# KiCad board nana.kicad_pcb
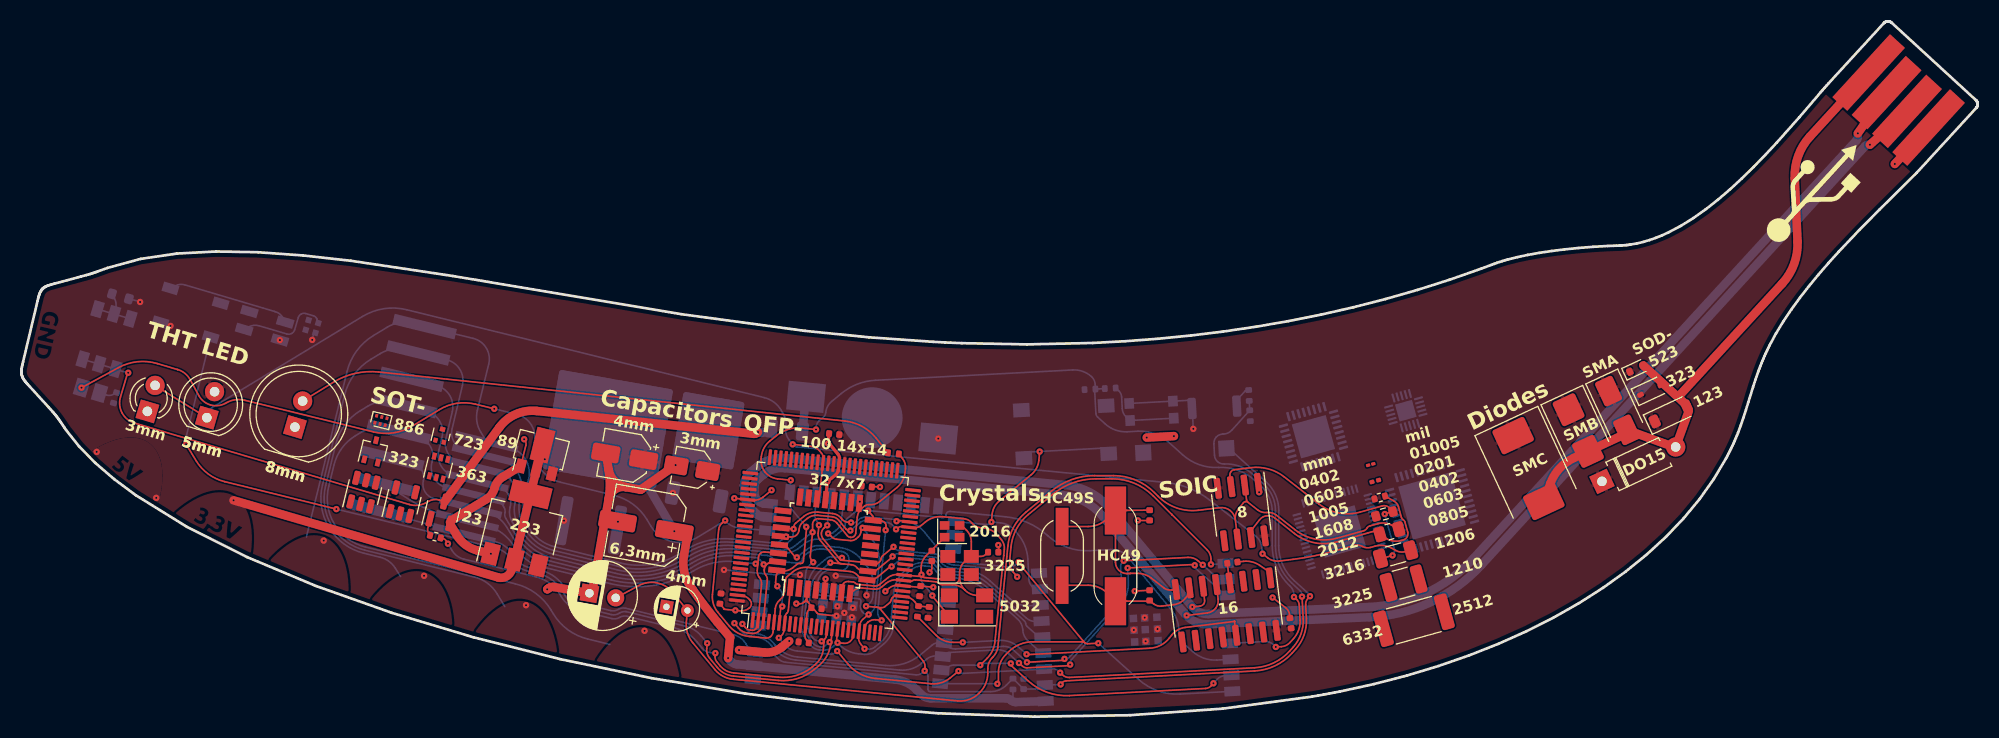
[diagram p0: board, top side]
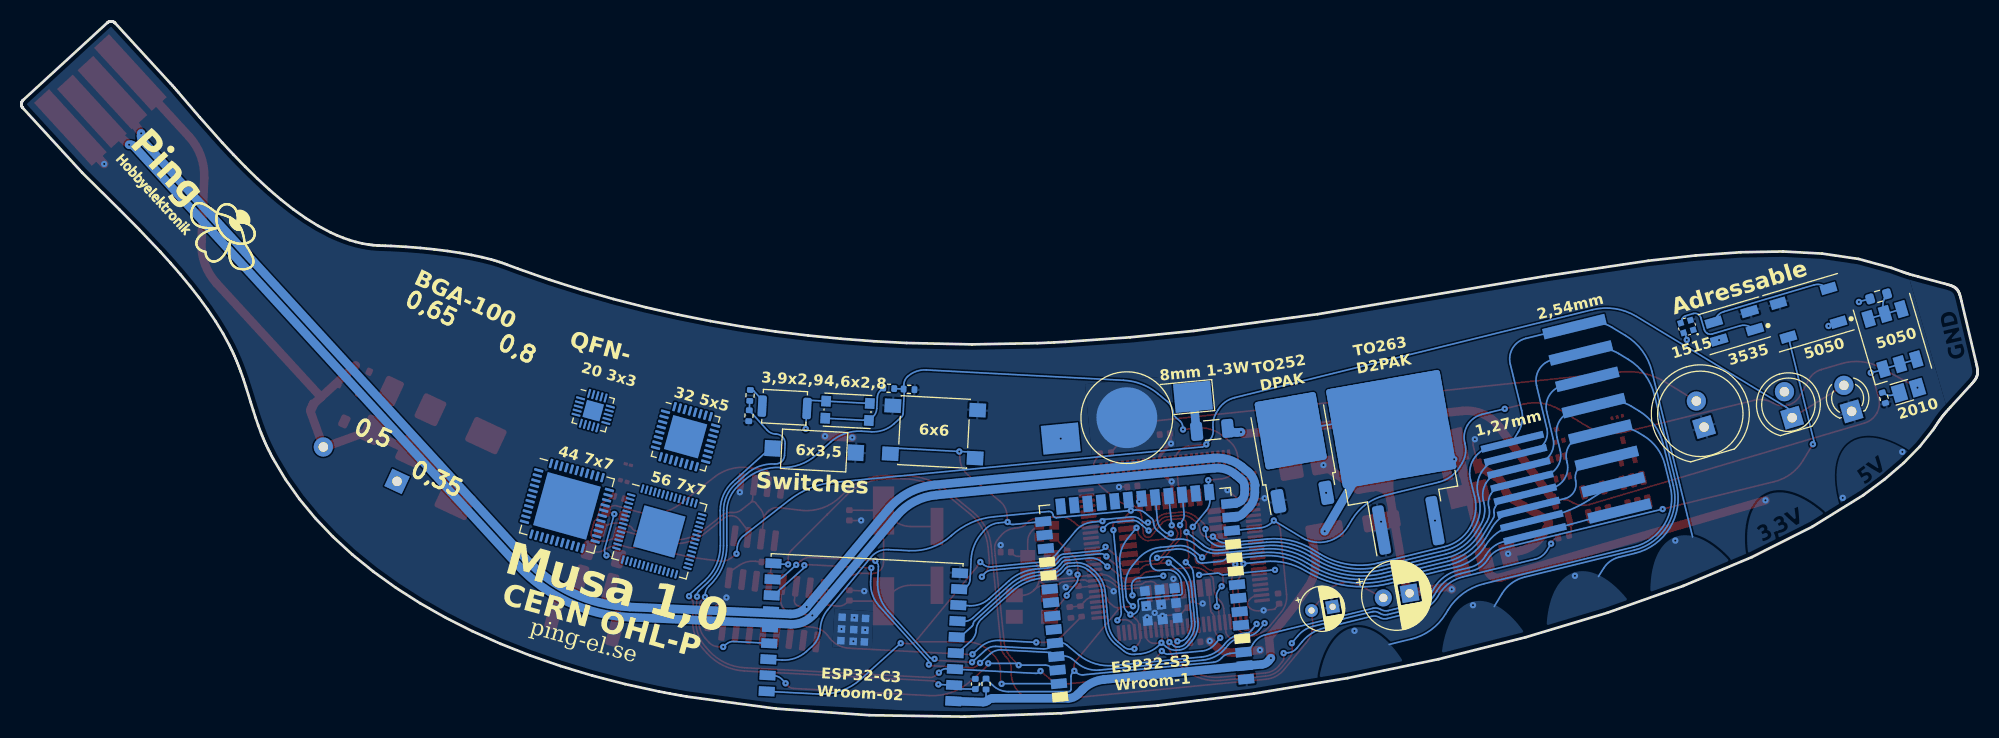
[diagram p1: board, bottom side, seen from below]

Outline 183.24 x 65.11 mm; copper layers: Top, Bottom. Coordinates in mm from the lower left corner of the outline.
Outline path: 0,32.29 0,32.23 0.01,32.17 0.01,32.13 0.02,32.08 0.03,32.03 0.04,31.98 0.06,31.93 0.07,31.88 0.09,31.83 0.11,31.79 0.13,31.74 0.16,31.68 0.19,31.63 0.23,31.57 0.26,31.52 0.3,31.46 0.35,31.41 0.39,31.35 0.49,31.24 0.58,31.14 0.75,30.95 2.59,28.94 2.75,28.76 2.94,28.55 3.03,28.44 3.12,28.33 3.21,28.23 3.28,28.14 3.36,28.04 3.44,27.93 3.52,27.83 3.59,27.72 3.66,27.62 3.73,27.52 3.89,27.28 4.04,27.05 4.18,26.85 5.41,25.3 6.92,23.76 8.69,22.24 10.73,20.73 15.5,17.77 21.15,14.93 27.58,12.24 34.67,9.73 42.35,7.43 50.49,5.38 59.02,3.61 67.82,2.15 76.8,1.04 85.86,0.31 94.9,0 103.82,0.13 112.53,0.75 120.91,1.88 121.43,1.97 121.95,2.06 122.48,2.16 123,2.26 123.51,2.36 126.68,3.05 129.75,3.84 132.73,4.74 135.59,5.73 138.35,6.82 140.99,8 143.51,9.27 145.9,10.63 148.15,12.07 150.27,13.58 152.23,15.18 154.05,16.84 155.7,18.58 157.19,20.38 158.52,22.25 159.66,24.17 159.78,24.39 159.91,24.64 160.04,24.89 160.15,25.11 160.26,25.35 160.37,25.59 160.47,25.82 160.58,26.08 160.69,26.34 160.78,26.57 161.05,27.27 161.3,27.99 161.53,28.71 161.75,29.44 162.2,30.89 162.44,31.61 162.69,32.32 162.78,32.56 162.88,32.82 162.98,33.08 163.08,33.31 163.18,33.55 163.29,33.79 163.39,34.02 163.51,34.27 163.63,34.53 163.74,34.75 164.34,35.88 165.03,37 165.78,38.11 166.59,39.22 167.44,40.32 168.34,41.41 169.27,42.48 170.22,43.53 172.15,45.57 174.06,47.49 177.54,50.94 183.1,56.99 183.11,57.01 183.13,57.03 183.14,57.05 183.16,57.08 183.17,57.1 183.18,57.12 183.19,57.15 183.2,57.17 183.21,57.19 183.22,57.22 183.22,57.24 183.23,57.27 183.23,57.3 183.23,57.32 183.24,57.35 183.24,57.37 183.23,57.4 183.23,57.43 183.23,57.45 183.22,57.48 183.21,57.5 183.21,57.53 183.2,57.55 183.19,57.57 183.17,57.6 183.16,57.62 183.15,57.64 183.13,57.66 183.12,57.68 183.1,57.7 183.08,57.72 183.06,57.74 175.19,64.97 175.17,64.99 175.15,65 175.13,65.02 175.11,65.03 175.09,65.04 175.06,65.06 175.04,65.07 175.02,65.08 174.99,65.08 174.97,65.09 174.94,65.1 174.92,65.1 174.89,65.1 174.86,65.11 174.84,65.11 174.81,65.11 174.79,65.11 174.76,65.1 174.73,65.1 174.71,65.09 174.68,65.09 174.66,65.08 174.64,65.07 174.61,65.06 174.59,65.05 174.57,65.03 174.54,65.02 174.52,65.01 174.5,64.99 174.48,64.97 174.46,64.96 174.44,64.94 169.25,59.27 169.08,59.09 168.89,58.88 168.71,58.67 168.55,58.48 166.53,56.13 164.44,53.77 163.36,52.62 162.27,51.49 161.16,50.41 160.04,49.37 158.9,48.4 157.76,47.5 156.6,46.68 155.44,45.96 154.27,45.34 153.68,45.07 153.09,44.83 152.5,44.63 151.91,44.45 151.32,44.31 150.73,44.21 150.61,44.19 150.48,44.17 150.34,44.16 150.2,44.15 149.92,44.12 149.79,44.12 149.67,44.11 149.41,44.1 149.14,44.09 148.61,44.08 147.22,44 145.86,43.89 144.57,43.76 143.34,43.6 142.18,43.43 141.1,43.24 140.11,43.03 139.21,42.8 138.97,42.74 138.7,42.66 138.44,42.57 138.2,42.49 137.95,42.4 137.7,42.31 136.71,41.94 133.75,40.91 130.77,39.96 127.77,39.1 124.76,38.33 121.73,37.65 118.69,37.04 115.64,36.51 112.59,36.06 109.52,35.69 106.46,35.39 103.39,35.15 100.32,34.99 94.19,34.86 88.09,34.97 87.03,35.02 86.5,35.04 85.44,35.1 79.38,35.52 73.41,36.12 61.82,37.68 40.42,41.26 30.85,42.69 26.4,43.18 22.19,43.49 18.24,43.56 14.56,43.36 11.17,42.86 8.08,42.02 7.08,41.66 6.96,41.62 6.83,41.58 6.71,41.54 6.58,41.5 6.47,41.46 6.35,41.42 6.08,41.35 5.57,41.21 3.1,40.55 2.86,40.48 2.73,40.44 2.59,40.4 2.52,40.38 2.45,40.35 2.39,40.32 2.33,40.3 2.27,40.27 2.21,40.24 2.16,40.21 2.12,40.18 2.08,40.15 2.05,40.12 2.03,40.1 1.99,40.07 1.96,40.03 1.93,40 1.9,39.96 1.87,39.93 1.86,39.91 1.83,39.86 1.8,39.81 1.77,39.75 1.74,39.69 1.72,39.63 1.69,39.57 1.67,39.5 1.65,39.43 1.61,39.29 1.57,39.16 1.52,38.92 0.16,33.22 0.1,32.97 0.07,32.84 0.04,32.7 0.02,32.56 0.01,32.49 0.01,32.42 0,32.35 0,32.29

## Placement (name value [footprint] x y rotation side)
C1  10µF  [CP_Radial_D6.3mm_P2.50mm]  55.67 11.12 170 top
C2  10µF  [CP_Radial_D4.0mm_P2.00mm]  62.39 9.94 170 top
C3  100nF  [C_0402_1005Metric]  113.43 14.42 187 top
C4  100nF  [C_0402_1005Metric]  118.88 8.75 97 top
C5  100nF  [CP_Elec_3x5.4]  62.81 23.26 170 top
C6  10µF  [CP_Elec_4x3.9]  56.51 24.38 170 top
C7  100µF  [CP_Elec_6.3x3]  58.5 17.83 170 top
C8  100nF  [C_0402_1005Metric]  93.88 3.05 270 bottom
C9  100nF  [C_0402_1005Metric#2]  83.98 9.85 84 top
C10  100nF  [C_0402_1005Metric]  85.28 15.05 90 top
C11  100nF  [C_0402_1005Metric]  91.03 15.4 0 top
C12  100nF  [C_0402_1005Metric]  105.68 11.35 270 top
C13  100nF  [C_0402_1005Metric]  105.68 18.85 270 top
C14  100nF  [C_0402_1005Metric]  73.28 6.95 174 top
C15  100nF  [C_0402_1005Metric]  84.18 11.75 264 top
C16  100nF  [C_0402_1005Metric]  79.18 21.55 174 top
C17  100nF  [C_0402_1005Metric]  74.48 10.15 354 top
C18  100nF  [C_0402_1005Metric]  76.13 26.46 354 top
C19  100nF  [C_0402_1005Metric]  65.48 11.05 84 top
D1  LED  [LED_D5.0mm]  17.37 27.99 73.5 top
D2  D  [D_SOD-523]  151.29 32.59 25 top
D3  D  [D_SOD-323]  152.61 30.59 25 top
D4  D  [D_SOD-123]  154.48 28.34 25 top
D5  D  [D_SMA]  149.51 28.67 295 top
D6  D  [D_SMB]  145.83 26.79 295 top
D7  D  [D_SMC]  141.16 23.24 295 top
D8  WS2812B  [LED_WS2812B_PLCC4_5.0x5.0mm_P3.2mm]  15.85 37.82 343.5 bottom
D9  D  [D_A-405_P7.62mm_Horizontal]  148.05 22.03 25 top
D10  LED  [LED_D3.0mm]  11.81 28.59 73.5 top
D11  LED  [LED_D8.0mm]  25.63 27.12 73.5 top
D12  neopixewl1515  [neopixel 1515]  27.19 36.52 73.5 bottom
D13  SK6812MINI  [LED_SK6812MINI_PLCC4_3.5x3.5mm_P1.75mm]  22.79 36.6 343.5 bottom
D14  LED_Small  [LED_Cree-XQ_HandSoldering]  6.48 30.55 163.5 bottom
D16  LED_Small  [LED_WS2812_PLCC6_5.0x5.0mm_P1.6mm]  7.98 35.35 73.5 bottom
D17  LED_Pad  [LED_1W_3W_R8]  79.69 27.99 354.5 bottom
J1  USB_A  [USB_A_PCB_Traces (2022_12_20 17_46_41 UTC)]  179.14 61.35 137.5 top
J3  Conn_01x08  [PinHeader_1x08_P1.27mm_Vertical_SMD_Pin1Left]  42.52 21.42 166.2 bottom
J4  Conn_01x08  [PinHeader_1x08_P2.54mm_Vertical_SMD_Pin1Left]  35.65 27.89 166.2 bottom
NOREF  -  [4e988d52-a1df-4404-8b93-7847e0040ea9]  12.92 27.95 73.5 bottom
NOREF#2  -  [3dd66612-fe23-403d-81ce-bc15ae8c14f7]  25.98 28.35 73.5 bottom
NOREF#3  -  [d564f435-ef66-4cca-9a57-fabb17dd3106]  57.94 12.92 170 bottom
NOREF#4  -  [b6a1a59d-b651-485a-8f2a-60bc29a1b44c]  63.68 11.12 170 bottom
NOREF#5  -  [f1bb2a21-603f-4583-8f4a-5e42ccd47537]  18.44 31.6 73.5 bottom
Q1  BC817  [SOT-23]  39.42 19.22 76.2 top
R1  100k  [R_0805_2012Metric]  128.13 17.32 15.5 top
R2  1k  [R_0402_1005Metric]  127.24 20.52 15.5 top
R3  1k  [R_0603_1608Metric]  127.67 18.98 15.5 top
R3#2  1k  [R_0402_1005Metric]  81.68 24.65 174 top
R4  100k  [R_0402_1005Metric]  38.78 16.85 166.2 top
R5  100k  [R_0402_1005Metric]  92.88 3.05 90 bottom
R6  100k  [R_0201_0603Metric]  126.81 22.06 15.5 top
R7  1k  [R_01005_0402Metric]  126.39 23.6 195.5 top
R8  1k  [R_1210_3225Metric]  129.47 12.5 195.5 top
R9  1k  [R_2512_6332Metric]  130.43 9.03 195.5 top
R10  1k  [R_1206_3216Metric]  128.72 15.2 195.5 top
R11  100k  [R_0402_1005Metric]  84.98 9.75 264 top
R12  R_Small  [R_1206_3216Metric]  71.7 26.85 354.5 bottom
R13  R_Small  [R_0603_1608Metric]  9.28 39.35 343.5 bottom
R14  100k  [R_0402_1005Metric]  8.78 29.85 73.5 bottom
R15  10k  [R_0402_1005Metric]  100.09 30.65 3 bottom
R16  5,1k  [R_0402_1005Metric]  101.99 30.75 3 bottom
R17  5,1k  [R_0402_1005Metric]  114.98 30.08 93 bottom
R18  10k  [R_0402_1005Metric]  115.08 28.18 93 bottom
REF**  -  [SOT-23-6]  32.04 21.03 76.2 top
REF**#2  -  [SOT-363_SC-70-6]  39.09 23.32 76.2 top
REF**#3  -  [SOT-323_SC-70]  32.99 24.91 76.2 top
REF**#4  -  [SOT-723]  39.31 26.35 76.2 top
REF**#5  -  [SOT-886]  33.68 27.73 76.2 top
REF**#6  -  [SOT-23-5]  35.73 20.12 76.2 top
REF**#7  -  [QFN-32-1EP_5x5mm_P0.5mm_EP3.3x3.3mm]  121.02 26.21 195.5 bottom
REF**#8  -  [QFN-20-1EP_3x3mm_P0.4mm_EP1.65x1.65mm]  129.67 28.65 195.5 bottom
REF**#9  -  [QFN-56-1EP_7x7mm_P0.4mm_EP4x4mm]  123.48 17.34 195.5 bottom
REF**#10  -  [QFN-44-1EP_7x7mm_P0.5mm_EP5.15x5.15mm]  132.13 19.74 195.5 bottom
SW1  SW_MEC_5E  [SW_SPST_CK_RS282G05A3]  108.98 24.92 183 bottom
SW2  SW_MEC_5E  [SW_Push_1P1T_NO_CK_KMR2]  105.85 28.64 183 bottom
SW3  SW_MEC_5E  [SW_Push_1P1T_NO_6x6mm_H9.5mm]  97.76 26.66 3 bottom
SW4  SW_MEC_5E  [SW_Push_SPST_NO_Alps_SKRK]  111.75 28.97 3 bottom
U1  NE555D  [SOIC-8_3.9x4.9mm_P1.27mm]  114.26 19.16 277 top
U2  ATmega1280-16A  [TQFP-100_14x14mm_P0.5mm]  75.27 16.04 84 top
U3  CH340G  [SOIC-16_3.9x9.9mm_P1.27mm]  112.86 9.99 277 top
U4  ATmega328-A  [TQFP-32_7x7mm_P0.8mm]  75.27 16.04 84 top
U5  -  [ESP32-C3-WROOM-02]  104.38 7.8 3 bottom
U6  -  [ESP32-S3-WROOM-1]  78.02 10.89 354.5 bottom
U7  AMS1117-3.3  [SOT-223-3_TabPin2]  46.94 17.76 76.2 top
U8  SOT89  [SOT-89-3]  48.71 25 76 top
U9  DPAK  [TO-252-2]  64.12 25.53 80 bottom
U10  D2PAK  [TO-263-2]  54.66 25.45 80 bottom
Y1  12Mhz  [Crystal_SMD_HC49-SD]  102.48 15.05 270 top
Y2  12Mhz  [Crystal_SMD_7050-2Pin_7.0x5.0_bättremm]  97.48 15.05 270 top
Y3  16Mhz  [Crystal_SMD_2016-4Pin_2.0x1.6mm]  87.18 17.35 0 top
Y4  16Mhz  [Crystal_SMD_3225-4Pin_3.2x2.5mm]  87.88 14.15 0 top
Y5  16Mhz  [Crystal_SMD_5032-4Pin_5.0x3.2mm]  88.58 10.35 0 top

## Library data of the parts
C1 C2 C5-C7 = -: Description: Polarized capacitor, small symbol
C3 C4 C8-C19 = -: Description: Unpolarized capacitor, small symbol
D1 D10 D11 D14 D16 = -: Description: Light emitting diode, small symbol
D2-D7 D9 = -: Description: Diode, small symbol; Sim.Pins: 1=K 2=A
D8 D12 D13 = -: Description: RGB LED with integrated controller
D17 = -: Description: Light emitting diode with pad
J1 = -: Description: USB Type A connector
J3 J4 = -: Description: Generic connector, single row, 01x08, script generated (kicad-library-utils/schlib/autogen/connector/)
Q1 = -: Description: 0.8A Ic, 45V Vce, NPN Transistor, SOT-23
R1-R3 R3#2 R4-R18 = -: Description: Resistor, small symbol
SW1 SW2 SW4 = -: Description: MEC 5G single pole normally-open tactile switch
SW3 = -: Description: MEC 5E single pole normally-open tactile switch
U1 = -: Description: Precision Timers, 555 compatible, SOIC-8
U2 = -: Description: 16MHz, 128kB Flash, 8kB SRAM, 4kB EEPROM, JTAG, TQFP-100
U3 = -: Description: USB serial converter, UART, SOIC-16
U4 = -: Description: 20MHz, 32kB Flash, 2kB SRAM, 1kB EEPROM, TQFP-32
U5 = -: Description: ESP32-C3-WROOM-02 is a general-purpose Wi-Fi and Bluetooth LE module. This module features a rich set of peripherals and high performance, which makes it an ideal choice for smart home, industrial automation, health care, consumer electronics, etc.
U6 = -: Description: 2.4 GHz WiFi (802.11 b/g/n) and Bluetooth ® 5 (LE) module Built around ESP32S3 series of SoCs, Xtensa ® dualcore 32bit LX7 microprocessor Flash up to 16 MB, PSRAM up to 8 MB 36 GPIOs, rich set of peripherals Onboard PCB antenna
U7-U10 = -: Description: 1A Low Dropout regulator, positive, 3.3V fixed output, SOT-223
Y1-Y5 = -: Description: Two pin crystal, small symbol

## Footprints (pads in the part's own frame, mm; a bottom-side part is the same pattern mirrored in y, then rotated)
C_0402_1005Metric
  rrect 0.56x0.62 smd: 1(-0.48,0) 2(0.48,0)
C_0402_1005Metric#2
  rrect 0.54x0.62 smd: 1(-0.49,0)
  rrect 0.53x0.62 smd: 2(0.495,0)
CP_Elec_3x5.4
  rrect 2.2x1.6 smd: 1(-1.5,0) 2(1.5,0)
CP_Elec_4x3.9
  rrect 2.6x1.6 smd: 1(-1.8,0) 2(1.8,0)
CP_Elec_6.3x3
  rrect 3.5x1.6 smd: 1(-2.7,0) 2(2.7,0)
CP_Radial_D4.0mm_P2.00mm
  round 1.2 hole 0.6: 1(0,0)
  rect 1.2x1.2 hole 0.6: 2(2,0)
CP_Radial_D6.3mm_P2.50mm
  round 1.6 hole 0.8: 1(0,0)
  rect 1.6x1.6 hole 0.8: 2(2.5,0)
Crystal_SMD_2016-4Pin_2.0x1.6mm
  rect 0.9x0.8 smd: 1(-0.7,-0.55) 2(0.7,-0.55) 3(0.7,0.55) 4(-0.7,0.55)
Crystal_SMD_3225-4Pin_3.2x2.5mm
  rect 1.4x1.2 smd: 1(-1.1,-0.85) 2(1.1,-0.85) 3(1.1,0.85) 4(-1.1,0.85)
Crystal_SMD_5032-4Pin_5.0x3.2mm
  rect 1.6x1.3 smd: 1(-1.65,-1) 2(1.65,-1) 3(1.65,1) 4(-1.65,1)
Crystal_SMD_7050-2Pin_7.0x5.0_bättremm
  rect 3.5x1.2 smd: 1(-2.75,0) 2(2.75,0)
Crystal_SMD_HC49-SD
  rect 4.5x2 smd: 1(-4.25,0) 2(4.25,0)
D_A-405_P7.62mm_Horizontal
  rect 1.8x1.8 hole 0.9: 1(0,0)
  oval 1.8x1.8 hole 0.9: 2(7.62,0)
D_SMA
  rrect 2.5x1.8 smd: 1(-2,0) 2(2,0)
D_SMB
  rrect 2.5x2.3 smd: 1(-2.15,0) 2(2.15,0)
D_SMC
  rrect 2.5x3.3 smd: 1(-3.4,0) 2(3.4,0)
D_SOD-123
  rrect 0.9x1.2 smd: 1(-1.65,0) 2(1.65,0)
D_SOD-323
  rrect 0.6x0.45 smd: 1(-1.05,0) 2(1.05,0)
D_SOD-523
  rrect 0.6x0.7 smd: 1(-0.7,0) 2(0.7,0)
ESP32-C3-WROOM-02
  rect 1.5x0.9 smd: 1(-8.75,5.9) 2(-8.75,4.4) 3(-8.75,2.9) 4(-8.75,1.4) 5(-8.75,-0.1) 6(-8.75,-1.6) 7(-8.75,-3.1) 8(-8.75,-4.6) 9(-8.75,-6.1) 10(8.75,-6.1) 11(8.75,-4.6) 12(8.75,-3.1) 13(8.75,-1.6) 14(8.75,-0.1) 15(8.75,1.4) 16(8.75,2.9) 17(8.75,4.4) 18(8.75,5.9)
  rect 0.7x0.7 smd: 19(-0.14,-1.4) 19(-0.14,-0.3) 19(-0.14,0.8) 19(0.91,-1.4) 19(0.91,-0.3) 19(0.91,0.8) 19(2.06,-1.4) 19(2.06,-0.3) 19(2.06,0.8)
ESP32-S3-WROOM-1
  rect 1.5x0.9 smd: 1(-8.75,8.26) 2(-8.75,6.99) 3(-8.75,5.72) 5(-8.75,3.18) 6(-8.75,1.91) 7(-8.75,0.64) 8(-8.75,-0.63) 12(-8.75,-5.71) 13(-8.75,-6.98) 14(-8.75,-8.25) 27(8.75,-8.25) 28(8.75,-6.98) 29(8.75,-5.71) 32(8.75,-1.9) 33(8.75,-0.63) 34(8.75,0.64) 35(8.75,1.91) 36(8.75,3.18) 37(8.75,4.45) 38(8.75,5.72) 39(8.75,7)
  rect 0.9x1.5 smd: 15(-6.985,-9.5) 16(-5.715,-9.5) 17(-4.445,-9.5) 18(-3.175,-9.5) 19(-1.905,-9.5) 20(-0.635,-9.5) 21(0.635,-9.5) 22(1.905,-9.5) 23(3.175,-9.5) 24(4.445,-9.5) 25(5.715,-9.5) 26(6.985,-9.5)
  rect 0.9x0.9 smd: 41(-2.9,-0.86) 41(-2.9,-0.86) 41(-2.9,0.54) 41(-2.9,1.94) 41(-1.5,-0.86) 41(-1.5,0.54) 41(-1.5,1.94) 41(-1.5,1.94) 41(-0.1,-0.86) 41(-0.1,0.54) 41(-0.1,1.94)
LED_1W_3W_R8
  rect 3.5x2.7 smd: 1(-6.35,-1.35) 2(6.35,1.35)
  round 5.7 smd: 3(0,0)
LED_Cree-XQ_HandSoldering
  rect 1.25x1.6 smd: 1(-0.88,0) 2(0.88,0)
LED_D3.0mm
  rect 1.8x1.8 hole 0.9: 1(0,0)
  round 1.8 hole 0.9: 2(2.54,0)
LED_D5.0mm
  rect 1.8x1.8 hole 0.9: 1(0,0)
  round 1.8 hole 0.9: 2(2.54,0)
LED_D8.0mm
  rect 1.8x1.8 hole 0.9: 1(0,0)
  round 1.8 hole 0.9: 2(2.54,0)
LED_SK6812MINI_PLCC4_3.5x3.5mm_P1.75mm
  rect 1.6x0.85 smd: 1(-1.75,0.875) 2(-1.75,-0.875) 3(1.75,-0.875) 4(1.75,0.875)
LED_WS2812_PLCC6_5.0x5.0mm_P1.6mm
  rect 1.5x1 smd: 1(-2.45,-1.6) 1(-2.45,0) 1(-2.45,1.6) 2(2.45,-1.6) 2(2.45,0) 2(2.45,1.6)
LED_WS2812B_PLCC4_5.0x5.0mm_P3.2mm
  rect 1.5x0.9 smd: 1(-2.45,1.65) 2(-2.45,-1.65) 3(2.45,-1.65) 4(2.45,1.65)
neopixel 1515
  rect 0.55x0.55 smd: 1(-0.45,-0.45) 2(0.5,-0.45) 3(0.5,0.5) 4(-0.45,0.5)
PinHeader_1x08_P1.27mm_Vertical_SMD_Pin1Left
  rect 6x0.65 smd: 1(0,4.445) 2(0,3.175) 4(0,0.635) 6(0,-1.905) 7(0,-3.175) 8(0,-4.445)
  rect 6x0.67 smd: 3(0,1.915)
  rect 6x0.66 smd: 5(0,-0.63)
PinHeader_1x08_P2.54mm_Vertical_SMD_Pin1Left
  rect 6x1 smd: 1(0,8.89) 2(0,6.35) 3(0,3.81) 4(0,1.27) 5(0,-1.27) 6(0,-3.81) 7(0,-6.35) 8(0,-8.89)
QFN-20-1EP_3x3mm_P0.4mm_EP1.65x1.65mm
  rrect 0.67x0.67 smd: (-0.41,-0.41) (-0.41,0.41) (0.41,-0.41) (0.41,0.41)
  rrect 0.85x0.2 smd: 1(-1.45,0.8) 2(-1.45,0.4) 3(-1.45,0) 4(-1.45,-0.4) 5(-1.45,-0.8) 11(1.45,-0.8) 12(1.45,-0.4) 13(1.45,0) 14(1.45,0.4) 15(1.45,0.8)
  rrect 0.2x0.85 smd: 6(-0.8,-1.45) 7(-0.4,-1.45) 8(0,-1.45) 9(0.4,-1.45) 10(0.8,-1.45) 16(0.8,1.45) 17(0.4,1.45) 18(0,1.45) 19(-0.4,1.45) 20(-0.8,1.45)
  rect 1.65x1.65 smd: 21(0,0)
QFN-32-1EP_5x5mm_P0.5mm_EP3.3x3.3mm
  rrect 0.89x0.89 smd: (-1.1,-1.1) (-1.1,1.1) (-1.1,0) (0,-1.1) (0,0) (0,1.1) (1.1,0) (1.1,-1.1) (1.1,1.1)
  rrect 0.875x0.25 smd: 1(-2.438,1.75) 2(-2.438,1.25) 3(-2.437,0.75) 4(-2.438,0.25) 5(-2.438,-0.25) 6(-2.438,-0.75) 7(-2.438,-1.25) 8(-2.438,-1.75) 17(2.438,-1.75) 18(2.438,-1.25) 19(2.437,-0.75) 20(2.438,-0.25) 21(2.438,0.25) 22(2.438,0.75) 23(2.438,1.25) 24(2.438,1.75)
  rrect 0.25x0.875 smd: 9(-1.75,-2.438) 10(-1.25,-2.438) 11(-0.75,-2.437) 12(-0.25,-2.438) 13(0.25,-2.438) 14(0.75,-2.438) 15(1.25,-2.438) 16(1.75,-2.438) 25(1.75,2.438) 26(1.25,2.438) 27(0.75,2.437) 28(0.25,2.438) 29(-0.25,2.438) 30(-0.75,2.438) 31(-1.25,2.438) 32(-1.75,2.438)
  rect 3.3x3.3 smd: 33(0,0)
QFN-44-1EP_7x7mm_P0.5mm_EP5.15x5.15mm
  rrect 1.04x1.04 smd: (-1.935,-1.935) (-1.935,-0.645) (-1.935,0.645) (-1.935,1.935) (-0.645,-1.935) (-0.645,-0.645) (-0.645,0.645) (-0.645,1.935) (0.645,-1.935) (0.645,-0.645) (0.645,0.645) (0.645,1.935) (1.935,-1.935) (1.935,-0.645) (1.935,0.645) (1.935,1.935)
  rrect 0.875x0.25 smd: 1(-3.438,2.5) 2(-3.438,2) 3(-3.438,1.5) 4(-3.438,1) 5(-3.437,0.5) 6(-3.438,0) 7(-3.438,-0.5) 8(-3.438,-1) 9(-3.438,-1.5) 10(-3.438,-2) 11(-3.438,-2.5) 23(3.438,-2.5) 24(3.438,-2) 25(3.438,-1.5) 26(3.438,-1) 27(3.437,-0.5) 28(3.438,0) 29(3.438,0.5) 30(3.438,1) 31(3.438,1.5) 32(3.438,2) 33(3.438,2.5)
  rrect 0.25x0.875 smd: 12(-2.5,-3.438) 13(-2,-3.438) 14(-1.5,-3.438) 15(-1,-3.438) 16(-0.5,-3.437) 17(0,-3.438) 18(0.5,-3.438) 19(1,-3.438) 20(1.5,-3.438) 21(2,-3.438) 22(2.5,-3.438) 34(2.5,3.438) 35(2,3.438) 36(1.5,3.438) 37(1,3.438) 38(0.5,3.437) 39(0,3.438) 40(-0.5,3.438) 41(-1,3.438) 42(-1.5,3.438) 43(-2,3.438) 44(-2.5,3.438)
  rect 5.15x5.15 smd: 45(0,0)
QFN-56-1EP_7x7mm_P0.4mm_EP4x4mm
  rrect 1.07x1.07 smd: (-1.33,-1.33) (-1.33,0) (-1.33,1.33) (0,-1.33) (0,0) (0,1.33) (1.33,-1.33) (1.33,0) (1.33,1.33)
  rrect 0.8x0.2 smd: 1(-3.45,2.6) 2(-3.45,2.2) 3(-3.45,1.8) 4(-3.45,1.4) 5(-3.45,1) 6(-3.45,0.6) 7(-3.45,0.2) 8(-3.45,-0.2) 9(-3.45,-0.6) 10(-3.45,-1) 11(-3.45,-1.4) 12(-3.45,-1.8) 13(-3.45,-2.2) 14(-3.45,-2.6) 29(3.45,-2.6) 30(3.45,-2.2) 31(3.45,-1.8) 32(3.45,-1.4) 33(3.45,-1) 34(3.45,-0.6) 35(3.45,-0.2) 36(3.45,0.2) 37(3.45,0.6) 38(3.45,1) 39(3.45,1.4) 40(3.45,1.8) 41(3.45,2.2) 42(3.45,2.6)
  rrect 0.2x0.8 smd: 15(-2.6,-3.45) 16(-2.2,-3.45) 17(-1.8,-3.45) 18(-1.4,-3.45) 19(-1,-3.45) 20(-0.6,-3.45) 21(-0.2,-3.45) 22(0.2,-3.45) 23(0.6,-3.45) 24(1,-3.45) 25(1.4,-3.45) 26(1.8,-3.45) 27(2.2,-3.45) 28(2.6,-3.45) 43(2.6,3.45) 44(2.2,3.45) 45(1.8,3.45) 46(1.4,3.45) 47(1,3.45) 48(0.6,3.45) 49(0.2,3.45) 50(-0.2,3.45) 51(-0.6,3.45) 52(-1,3.45) 53(-1.4,3.45) 54(-1.8,3.45) 55(-2.2,3.45) 56(-2.6,3.45)
  rect 4x4 smd: 57(0,0)
R_0201_0603Metric
  rrect 0.318x0.36 smd: (-0.345,0) (0.345,0)
  rrect 0.46x0.4 smd: 1(-0.32,0) 2(0.32,0)
R_0402_1005Metric
  rrect 0.54x0.64 smd: 1(-0.51,0) 2(0.51,0)
R_0603_1608Metric
  rrect 0.8x0.95 smd: 1(-0.825,0) 2(0.825,0)
R_0805_2012Metric
  rrect 1.025x1.4 smd: 1(-0.912,0) 2(0.912,0)
R_01005_0402Metric
  rrect 0.27x0.27 smd: (-0.275,0) (0.275,0)
  rrect 0.4x0.3 smd: 1(-0.25,0) 2(0.25,0)
R_1206_3216Metric
  rrect 1.125x1.75 smd: 1(-1.462,0) 2(1.462,0)
R_1210_3225Metric
  rrect 1.125x2.65 smd: 1(-1.462,0) 2(1.462,0)
R_2512_6332Metric
  rrect 1.225x3.35 smd: 1(-2.962,0) 2(2.962,0)
SOIC-8_3.9x4.9mm_P1.27mm
  rrect 1.95x0.6 smd: 1(-2.475,1.905) 2(-2.475,0.635) 3(-2.475,-0.635) 4(-2.475,-1.905) 5(2.475,-1.905) 6(2.475,-0.635) 7(2.475,0.635) 8(2.475,1.905)
SOIC-16_3.9x9.9mm_P1.27mm
  rrect 1.95x0.6 smd: 1(-2.475,4.445) 2(-2.475,3.175) 3(-2.475,1.905) 4(-2.475,0.635) 5(-2.475,-0.635) 6(-2.475,-1.905) 7(-2.475,-3.175) 8(-2.475,-4.445) 9(2.475,-4.445) 10(2.475,-3.175) 11(2.475,-1.905) 12(2.475,-0.635) 13(2.475,0.635) 14(2.475,1.905) 15(2.475,3.175) 16(2.475,4.445)
SOT-23
  rrect 1.475x0.6 smd: 1(-0.938,0.95) 2(-0.938,-0.95) 3(0.938,0)
SOT-23-5
  rrect 1.325x0.6 smd: 1(-1.137,0.95) 2(-1.137,0) 3(-1.137,-0.95) 4(1.137,-0.95) 5(1.137,0.95)
SOT-23-6
  rrect 1.325x0.6 smd: 1(-1.137,0.95) 2(-1.137,0) 3(-1.137,-0.95) 4(1.137,-0.95) 5(1.137,0) 6(1.137,0.95)
SOT-89-3
  rect 1.3x0.9 smd: 1(-1.95,1.5) 3(-1.95,-1.5)
  custom 4.6x1.733 smd: 2(-1.863,0)
SOT-223-3_TabPin2
  rect 2x1.5 smd: 1(-3.15,2.3) 2(-3.15,0) 3(-3.15,-2.3)
  rect 2x3.8 smd: 2(3.15,0)
SOT-323_SC-70
  rect 0.7x0.45 smd: 1(-1,0.65) 2(-1,-0.65) 3(1,0)
SOT-363_SC-70-6
  rect 0.65x0.4 smd: 1(-0.95,0.65) 2(-0.95,0) 3(-0.95,-0.65) 4(0.95,-0.65) 5(0.95,0) 6(0.95,0.65)
SOT-723
  rect 0.45x0.4 smd: 1(-0.575,0.4) 2(-0.575,-0.4)
  rect 0.45x0.5 smd: 3(0.575,0)
SOT-886
  rect 0.33x0.27 smd: 1(-0.34,0.5) 2(-0.34,0) 3(-0.34,-0.5) 4(0.34,-0.5) 5(0.34,0) 6(0.34,0.5)
SW_Push_1P1T_NO_6x6mm_H9.5mm
  rect 1.55x1.3 smd: 1(-3.975,2.25) 1(3.975,2.25) 2(-3.975,-2.25) 2(3.975,-2.25)
SW_Push_1P1T_NO_CK_KMR2
  rect 0.9x1 smd: 1(-2.05,0.8) 1(2.05,0.8) 2(-2.05,-0.8) 2(2.05,-0.8)
SW_Push_SPST_NO_Alps_SKRK
  rrect 0.8x2 smd: 1(-2.1,0) 2(2.1,0)
SW_SPST_CK_RS282G05A3
  rect 1.5x1.5 smd: 1(-3.9,0) 3(3.9,0)
TO-252-2
  rrect 2.2x1.2 smd: 1(-5.04,2.28) 3(-5.04,-2.28)
  rrect 3.05x2.75 smd: 2(-0.415,-1.525) 2(-0.415,1.525) 2(2.935,-1.525) 2(2.935,1.525)
  rrect 6.4x5.8 smd: 2(1.26,0)
TO-263-2
  rrect 4.6x1.1 smd: 1(-7.65,2.54) 3(-7.65,-2.54)
  rrect 4.55x5.25 smd: 2(-0.925,-2.775) 2(-0.925,2.775) 2(3.925,-2.775) 2(3.925,2.775)
  rrect 9.4x10.8 smd: 2(1.5,0)
TQFP-32_7x7mm_P0.8mm
  rect 1.6x0.55 smd: 1(-4.25,2.8) 2(-4.25,2) 3(-4.25,1.2) 4(-4.25,0.4) 5(-4.25,-0.4) 6(-4.25,-1.2) 7(-4.25,-2) 8(-4.25,-2.8) 17(4.25,-2.8) 18(4.25,-2) 19(4.25,-1.2) 20(4.25,-0.4) 21(4.25,0.4) 22(4.25,1.2) 23(4.25,2) 24(4.25,2.8)
  rect 0.55x1.6 smd: 9(-2.8,-4.25) 10(-2,-4.25) 11(-1.2,-4.25) 12(-0.4,-4.25) 13(0.4,-4.25) 14(1.2,-4.25) 15(2,-4.25) 16(2.8,-4.25) 25(2.8,4.25) 26(2,4.25) 27(1.2,4.25) 28(0.4,4.25) 29(-0.4,4.25) 30(-1.2,4.25) 31(-2,4.25) 32(-2.8,4.25)
TQFP-100_14x14mm_P0.5mm
  rrect 1.475x0.3 smd: 1(-7.662,6) 2(-7.662,5.5) 3(-7.662,5) 4(-7.662,4.5) 5(-7.662,4) 6(-7.662,3.5) 7(-7.662,3) 8(-7.662,2.5) 9(-7.662,2) 10(-7.662,1.5) 11(-7.662,1) 12(-7.662,0.5) 13(-7.662,0) 14(-7.662,-0.5) 15(-7.662,-1) 16(-7.662,-1.5) 17(-7.662,-2) 18(-7.662,-2.5) 19(-7.662,-3) 20(-7.662,-3.5) 21(-7.662,-4) 22(-7.662,-4.5) 23(-7.662,-5) 24(-7.662,-5.5) 25(-7.662,-6) 51(7.662,-6) 52(7.662,-5.5) 53(7.662,-5) 54(7.662,-4.5) 55(7.662,-4) 56(7.662,-3.5) 57(7.662,-3) 58(7.662,-2.5) 59(7.662,-2) 60(7.662,-1.5) 61(7.662,-1) 62(7.662,-0.5) 63(7.662,0) 64(7.662,0.5) 65(7.662,1) 66(7.662,1.5) 67(7.662,2) 68(7.662,2.5) 69(7.662,3) 70(7.662,3.5) 71(7.662,4) 72(7.662,4.5) 73(7.662,5) 74(7.662,5.5) 75(7.662,6)
  rrect 0.3x1.475 smd: 26(-6,-7.662) 27(-5.5,-7.662) 28(-5,-7.662) 29(-4.5,-7.662) 30(-4,-7.662) 31(-3.5,-7.662) 32(-3,-7.662) 33(-2.5,-7.662) 34(-2,-7.662) 35(-1.5,-7.662) 36(-1,-7.662) 37(-0.5,-7.662) 38(0,-7.662) 39(0.5,-7.662) 40(1,-7.662) 41(1.5,-7.662) 42(2,-7.662) 43(2.5,-7.662) 44(3,-7.662) 45(3.5,-7.662) 46(4,-7.662) 47(4.5,-7.662) 48(5,-7.662) 49(5.5,-7.662) 50(6,-7.662) 76(6,7.662) 77(5.5,7.662) 78(5,7.662) 79(4.5,7.662) 80(4,7.662) 81(3.5,7.662) 82(3,7.662) 83(2.5,7.662) 84(2,7.662) 85(1.5,7.662) 86(1,7.662) 87(0.5,7.662) 88(0,7.662) 89(-0.5,7.662) 90(-1,7.662) 91(-1.5,7.662) 92(-2,7.662) 93(-2.5,7.662) 94(-3,7.662) 95(-3.5,7.662) 96(-4,7.662) 97(-4.5,7.662) 98(-5,7.662) 99(-5.5,7.662) 100(-6,7.662)
USB_A_PCB_Traces (2022_12_20 17_46_41 UTC)
  rect 1.9x8 smd: 1(3.81,4.9) 4(-3.81,4.9)
  rect 2x7.5 smd: 2(1.3,5.15) 3(-1.3,5.15)

## Nets
+3.3V: C7.1 R5.1 U5.1 U6.2 U7.2 U8.2 U9.2 U10.2
GND: C1.2 C2.2 C3.1 C4.2 C5.2 C6.2 C7.2 C8.1 C10.1 C11.2 C12.1 C13.2 C14.1 C15.1 C16.1 C17.1 C18.1 C19.1 D8.3 D10.1 D11.1 D12.2 D13.2 D17.3 J1.4 Q1.2 R14.1 R15.1 R18.1 SW1.3 SW3.2 U1.1 U2.11 U2.32 U2.62 U2.81 U2.99 U3.1 U4.3 U4.5 U4.21 U5.9 U5.19 U6.1 U6.41 U7.1 U8.1 U9.1 U10.1
VCC: C4.1 C5.1 C6.1 C14.2 C15.2 C16.2 C17.2 C18.2 C19.2 D1.2 D2.1 D3.1 D4.1 D5.1 D6.1 D7.1 D8.1 D9.1 D12.4 D13.4 D17.2 R2.1 R11.2 R13.2 SW2.1 SW4.1 U1.4 U1.8 U2.10 U2.31 U2.61 U2.80 U2.98 U2.100 U3.16 U4.4 U4.6 U4.18 U4.20 U7.3 U8.3 U9.3 U10.3
0/RX: J3.7 J4.7 U2.2 U4.30 U5.11 U6.36
1/TX: J3.6 J4.6 U2.3 U4.31 U5.12 U6.37
11/MOSI: J3.5 J4.5 U2.21 U4.15 U5.5 U6.19
12/MISO: J3.4 J4.4 U2.22 U4.16 U5.16 U6.21
13/SCK: J3.3 J4.3 R3#2.1 U2.17 U2.20 U4.17 U5.4 U6.20
555: D1.1 D10.2 R10.1 U2.65 U4.22
/555_2: C1.1 C2.1 R1.2 U1.2 U1.6
/555_3: R3.2 R10.2 U1.3
/555_7: R1.1 R2.2 U1.7
A4/SDA: J3.2 J4.2 U2.44 U4.27 U5.18 U6.39
A5/SCL: J3.1 J4.1 U2.43 U4.28 U5.17 U6.38
boot: SW3.1 U5.8 U6.27
D+: J1.3 U3.5 U5.14 U6.14
D-: J1.2 U3.6 U5.13 U6.13
DTR: C9.1 U3.13
ESP_EN: C8.2 C9.2 J3.8 J4.8 R5.2 R11.1 SW1.1 U2.30 U4.29 U5.2 U6.3
neopixel: D8.4 U2.16 U4.11 U5.10 U6.18
P_LED: R4.1 U2.15 U4.10 U5.7 U6.17
RX: U3.3
S_LED: D14.2 U2.5 U4.9 U5.6 U6.12
SW1: R15.2 R16.1 U2.6 U4.32 U5.15 U6.15
SW2: R17.1 R18.2 U2.7 U4.1 U5.3
TX: U3.2
XTAL1: C11.1 U2.33 U4.8 Y3.3 Y4.3 Y5.3
XTAL2: C10.2 U2.34 U4.7 Y3.1 Y4.1 Y5.1
Net-(D1-A): R3.1
Net-(D2-A): D2.2 D3.2 D4.2 D5.2 D6.2 D7.2 D9.2 J1.1
Net-(D11-A): D11.2 R3#2.2
Net-(D12-DIN): D12.3 D13.1
Net-(D13-DIN): D8.2 D13.3
Net-(D14-K): D14.1 R14.2
Net-(D16-A): D16.2 R13.1
Net-(D16-K): D16.1 Q1.3 R12.1
Net-(D17-K): D17.1 R12.2
Net-(Q1-B): Q1.1 R4.2
Net-(SW2-B): R16.2 SW2.2
Net-(SW4-B): R17.2 SW4.2
Net-(U3-V3): C3.2 U3.4
Net-(U3-XI): C12.2 U3.7 Y1.2 Y2.2
Net-(U3-XO): C13.1 U3.8 Y1.1 Y2.1

Pads without a net: D12 1; R6 1 2; R7 1 2; R8 1 2; R9 1 2; REF** 1 2 3 4 5 6; REF**#2 1 2 3 4 5 6; REF**#3 1 2 3; REF**#4 1 2 3; REF**#5 1 2 3 4 5 6; REF**#6 1 2 3 4 5; REF**#7 1 2 3 4 5 6 7 8 9 10 11 12 13 14 15 16 17 18 19 20 21 22 23 24 25 26 27 28 29 30 31 32 33; REF**#8 1 2 3 4 5 6 7 8 9 10 11 12 13 14 15 16 17 18 19 20 21; REF**#9 1 2 3 4 5 6 7 8 9 10 11 12 13 14 15 16 17 18 19 20 21 22 23 24 25 26 27 28 29 30 31 32 33 34 35 36 37 38 39 40 41 42 43 44 45 46 47 48 49 50 51 52 53 54 55 56 57; REF**#10 1 2 3 4 5 6 7 8 9 10 11 12 13 14 15 16 17 18 19 20 21 22 23 24 25 26 27 28 29 30 31 32 33 34 35 36 37 38 39 40 41 42 43 44 45; U1 5; U2 1 4 8 9 12 13 14 18 19 23 24 25 26 27 28 29 35 36 37 38 39 40 41 42 45 46 47 48 49 50 51 52 53 54 55 56 57 58 59 60 63 64 66 67 68 69 70 71 72 73 74 75 76 77 78 79 82 83 84 85 86 87 88 89 90 91 92 93 94 95 96 97; U3 9 10 11 12 14 15; U4 2 12 13 14 19 23 24 25 26; U6 5 6 7 8 16 22 23 24 25 26 28 29 32 33 34 35; Y3 2 4; Y4 2 4; Y5 2 4

## Via types
v1: diameter 0.6, hole 0.2, Top to Bottom, 144 vias
